# Altium PCB eva01.PcbDoc (part 3 of 4) (continued)
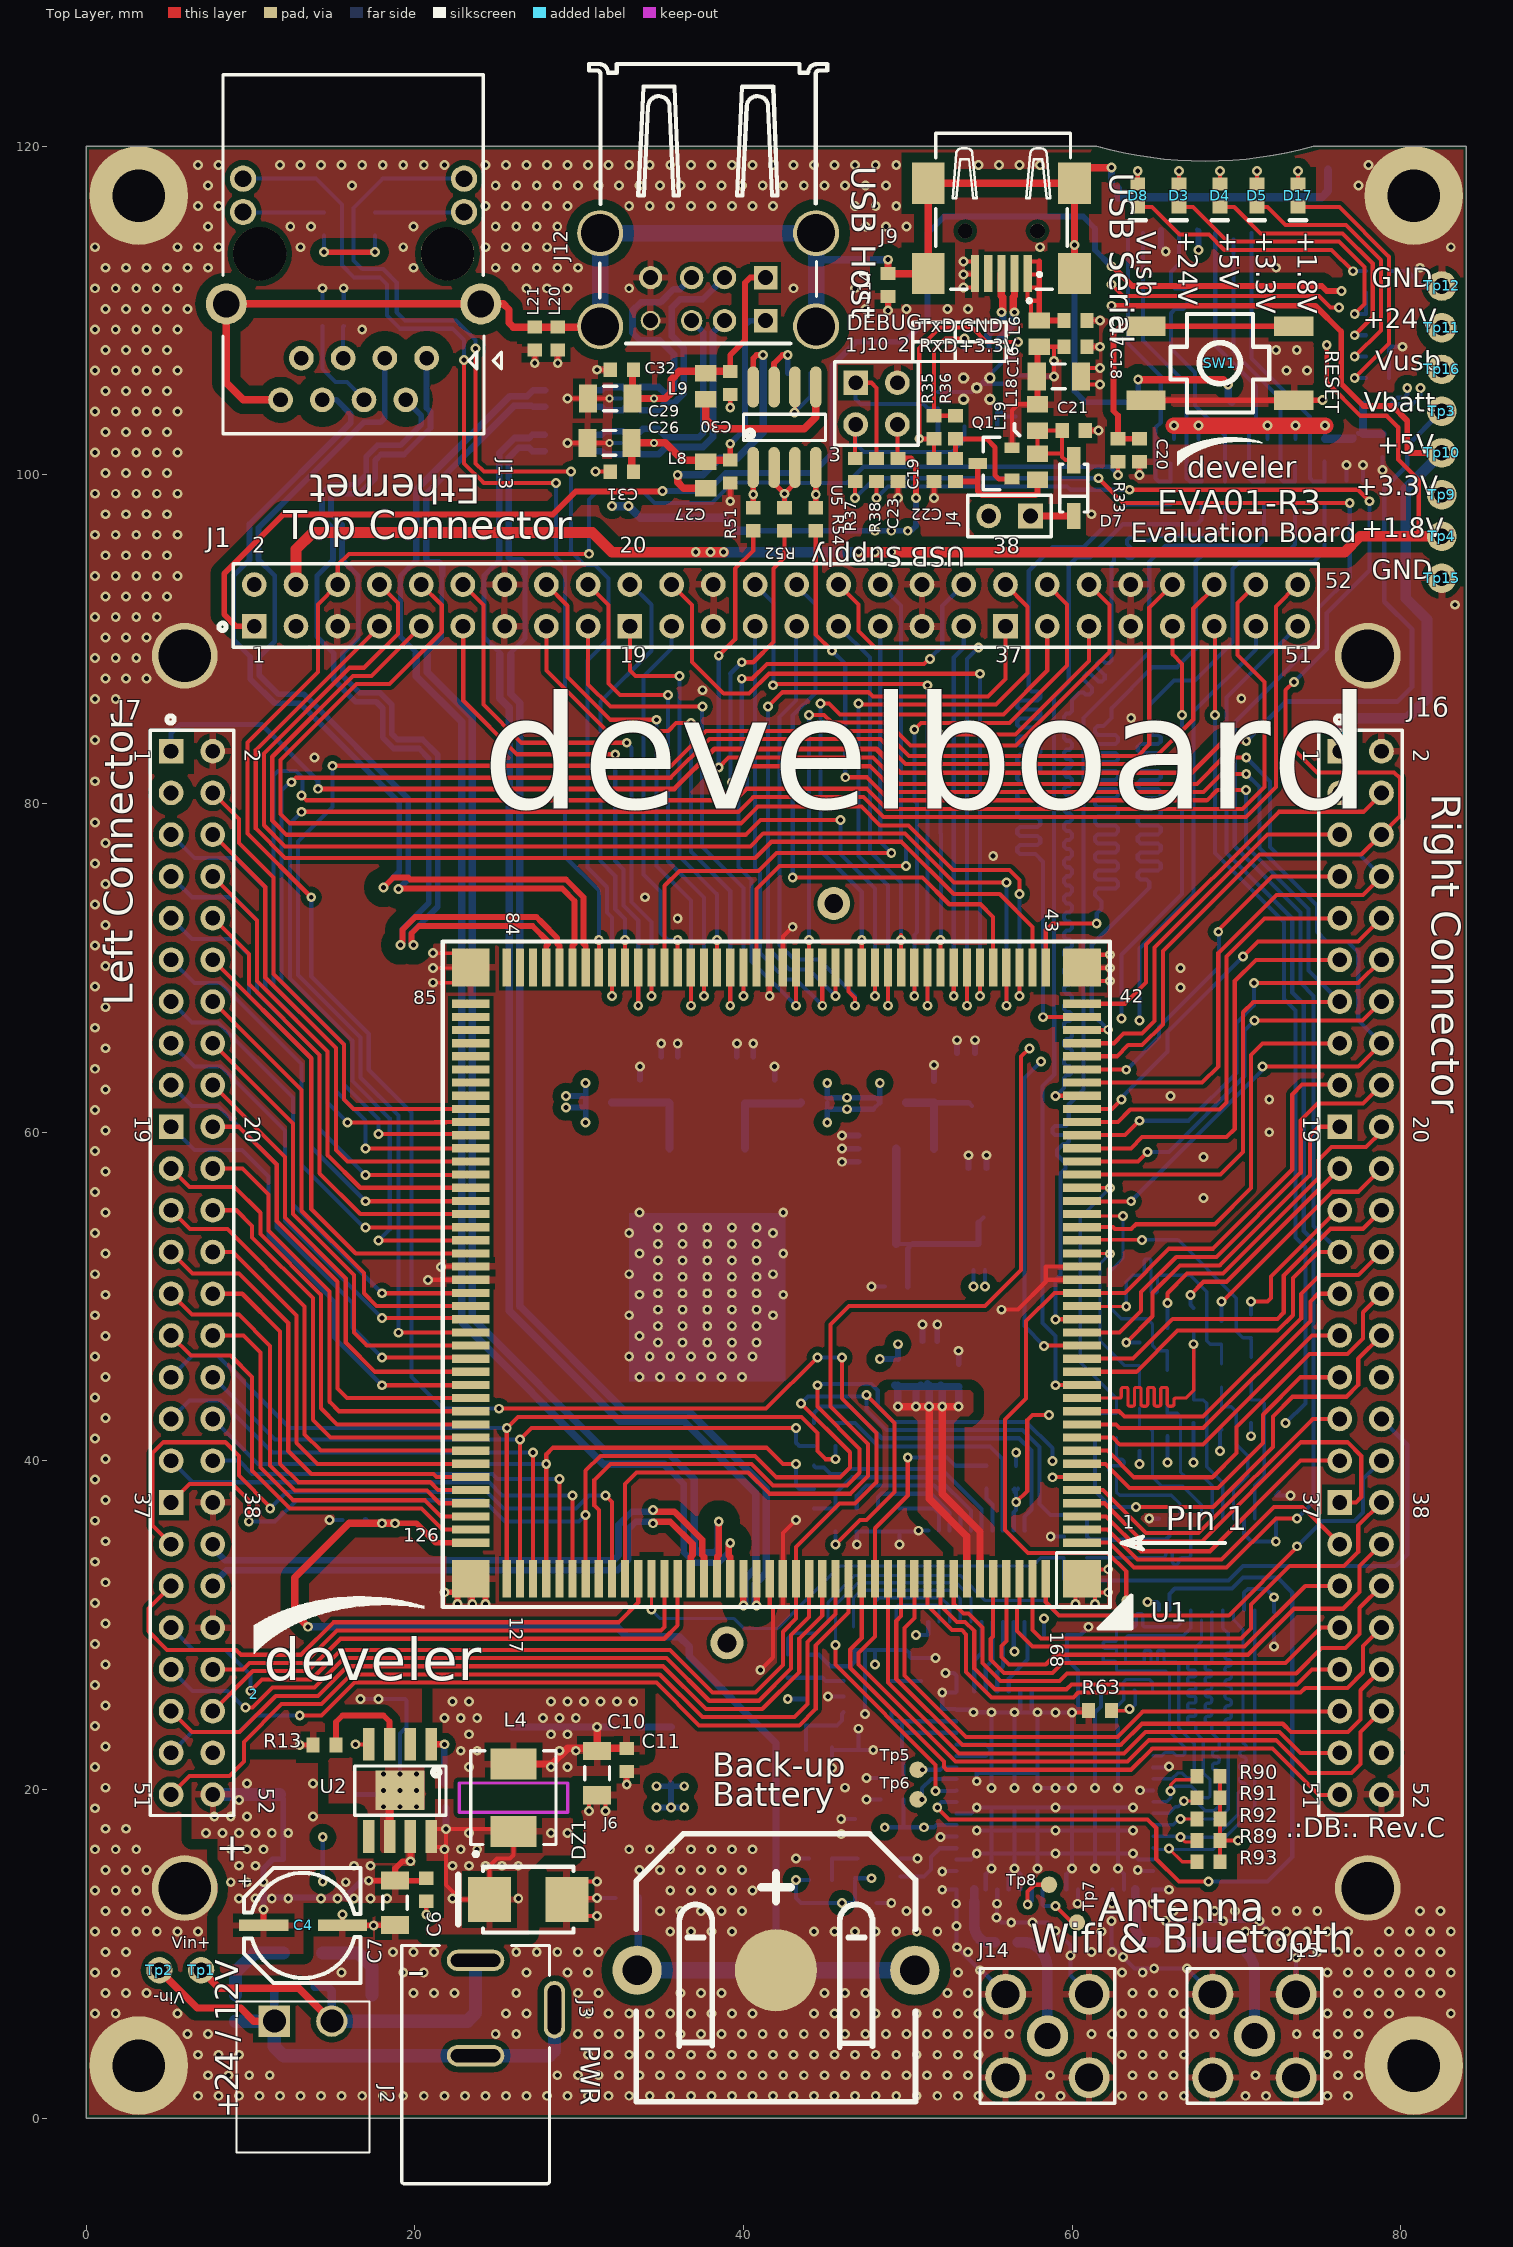
[diagram p0: Top Layer view]
## Nets (pads, with @x,y where several pads share a name; then routed paths per layer and width w, separated by ;. In a path a pad name is that pad's centre, name@x,y a point inside that pad or via, vN(x,y) a via of type N, cw(c..) or ccw(c..) an arc to the next point about the centre after c; other vN are vias at no path point) (continued)
PB22_SPI1_NPCS1_G1: J7.10 U1.101 | length 28.4
  Top Layer w0.25: J7.10@7.71,73.03 9.9,70.84 9.9,69.007 14.2,64.707 14.2,57.5 16.68,55.02 U1.101@23.4,55.02
PB23_SPI1_NPCS2_H1: J1.52 U1.103 | length 108.6
  Top Layer w0.25: v1(13.1,79.5) 39.7,79.5 40.6,80.4 47.307,80.4 48.532,79.175 70.575,79.175 72.4,81 72.4,92 J1.52@73.73,93.33 ; v1(17.8,53.4) 23.38,53.4 U1.103@23.4,53.42
  Bottom Layer w0.25: v1(13.1,79.5) 12.4,78.8 12.4,69.364 16.2,65.564 16.2,63.107 18.475,60.832 18.475,54.075 v1(17.8,53.4)
PB24_DRXD_TDI_E1: J7.7 U1.98 | length 31
  Top Layer w0.25: v1(17,57.4) 23.38,57.4 U1.98@23.4,57.42
  Bottom Layer w0.25: J7.7@5.17,75.57 6.44,74.3 9,74.3 10.4,72.9 10.4,68.507 14.2,64.707 14.2,60.2 v1(17,57.4)
PB25_DTXD_TDO_J1: J7.12 U1.104 | length 28.5
  Top Layer w0.25: J7.12@7.71,70.49 13.7,64.5 13.7,55.328 16.408,52.62 U1.104@23.4,52.62
PB26_PCK0_RK0_PWMH0_M5: J16.46 U1.157 | length 40.8
  Top Layer w0.25: U1.157@49.6,32.82 49.6,30.551 49.3,30.251 49.3,26.728 53.328,22.7 62.962,22.7 64.262,24 72.821,24 73.321,23.5 76.8,23.5 77.56,24.26 77.56,26.04 J16.46@78.83,27.31
PB27_SPI1_NPCS3_TK0_PWML0_L2: J7.18 U1.113 | length 27.4
  Top Layer w0.25: J7.18@7.71,62.87 12.1,58.48 12.1,54.807 15.8,51.107 15.8,47.2 17.58,45.42 U1.113@23.4,45.42
PB28_SPI2_NPCS3_TD0_PWMH1_K1: J7.15 U1.109 | length 28.5
  Top Layer w0.25: v1(18,48.7) 23.12,48.7 23.22,48.6 23.32,48.7 U1.109@23.4,48.62
  Bottom Layer w0.25: J7.15@5.17,65.41 6.585,63.995 8.2,63.995 12.1,60.095 12.1,54.6 v1(18,48.7)
PB29_TWD2_RD0_PWML1_M3: J7.41 U1.137 | length 36.5
  Top Layer w0.25: J7.41@5.17,32.39 3.8,31.02 3.8,29.629 4.929,28.5 9.133,28.5 9.433,28.2 13.079,28.2 15.054,30.175 32.405,30.175 33.6,31.37 U1.137@33.6,32.82
PB30_TWCK2_RF0_M4: J7.33 U1.129 | length 31.5
  Top Layer w0.25: U1.129@27.2,32.82 v1(27.2,40.5)
  Bottom Layer w0.25: J7.33@5.17,42.55 6.295,43.675 8.176,43.675 11.351,40.5 v1(27.2,40.5)
PB31_TF0_L1: J7.17 U1.112 | length 28.2
  Top Layer w0.25: v1(18,46.3) 23.32,46.3 U1.112@23.4,46.22
  Bottom Layer w0.25: J7.17@5.17,62.87 6.44,61.6 8.031,61.6 11.6,58.031 11.6,54.2 16.2,49.6 16.2,48.1 v1(18,46.3)
PC0_SPI0_MISO_PWMH2_ISI_D8: J7.49 U1.153 | length 51.2
  Top Layer w0.25: v1(13,24.5) 14.328,24.5 16.328,26.5 34.7,26.5 37.3,23.9 43.4,23.9 44.4,24.9 44.4,28.772 46.4,30.772 U1.153@46.4,32.82
  Bottom Layer w0.25: J7.49@5.17,22.23 6.44,23.5 9.3,23.5 10.3,24.5 v1(13,24.5)
PC1_SPI0_MOSI_PWML2_ISI_D9_P8: J16.44 U1.159 | length 35.6
  Top Layer w0.25: U1.159@51.2,32.82 51.2,31.2 52.704,29.696 53.289,29.696 53.55,29.436 53.55,27.15 55.1,25.6 60.077,25.6 60.377,25.9 73.907,25.9 74.192,26.185 76.756,26.185 77.705,27.134 77.705,28.725 J16.44@78.83,29.85
PC2_SPI0_SPCK_PWMH3_ISI_D10_V5: J7.47 U1.151 | length 48.7
  Top Layer w0.25: J7.47@5.17,24.77 6.44,23.5 9.338,23.5 11.538,25.7 14.114,25.7 15.914,27.5 35.114,27.5 37.714,24.9 41.145,24.9 43.4,27.155 43.4,29.186 44.8,30.586 U1.151@44.8,32.82
PC3_SPI0_NPCS0_PWML3_ISI_D11_T9: J16.39 U1.2 | length 18.7
  Top Layer w0.25: U1.2@60.6,35.82 62.159,35.82 63.979,34 69.1,34 72.3,37.2 74.02,37.2 J16.39@76.29,34.93
PC4_SPI0_NPCS1_MCI0_CK_PCK1_W5: J16.34 R6.2 | length 29.1
  Bottom Layer w0.25: R6.2@60.9,32.8 60.9,32.725 69.525,32.725 70.4,33.6 79.7,33.6 80.4,34.3 80.4,40.98 J16.34@78.83,42.55
PC4_SPI0_NPCS1_MCI0_CK_PCK1_W5_INT: R6.1 R84.2 U1.138 | length 30.5
  Top Layer w0.2: v1(34.4,30.94) U1.138@34.4,32.82
  Bottom Layer w0.2: v1(34.4,30.94) 34.94,30.4 39.429,30.4 40.029,29.8 42.075,29.8 45.875,33.6 57.6,33.6 58.1,34.1 R84.2@59.5,34.1 R6.1@59.5,32.8
PC19_ISI_D0_TK1_U14: J16.31 U1.7 | length 20.1
  Top Layer w0.25: U1.7@60.6,39.82 62.029,39.82 63.499,38.35 68.881,38.35 71.625,41.094 71.625,42.807 73.908,45.09 J16.31@76.29,45.09
PC20_ISI_D1_TF1_V11: J16.35 U1.3 | length 18.9
  Top Layer w0.25: U1.3@60.6,36.62 62.066,36.62 64.186,34.5 68.4,34.5 73.91,40.01 J16.35@76.29,40.01
PC21_ISI_D2_TD1_U15: J16.28 U1.8 | length 25.4
  Top Layer w0.25: U1.8@60.6,40.62 62.149,40.62 63.769,39 68.531,39 70,40.469 70,42.066 74.44,46.505 76.756,46.505 77.705,47.454 77.705,49.045 J16.28@78.83,50.17
PC22_ISI_D3_RF1_T15: J16.42 U1.161 | length 34.1
  Top Layer w0.25: U1.161@52.8,32.82 52.8,31.3 53.4,30.7 53.7,30.7 54.55,29.85 54.55,27.701 55.651,26.6 59.238,26.6 59.688,27.05 73.643,27.05 75.193,28.6 76.631,28.6 77.5,29.469 77.5,31.06 J16.42@78.83,32.39
PC23_ISI_D4_RD1_U16: J16.27 U1.10 | length 19.9
  Top Layer w0.25: U1.10@60.6,42.22 62.67,42.22 62.898,41.992 67.982,41.992 74.5,48.51 74.5,49.7 74.97,50.17 J16.27@76.29,50.17
PC24_ISI_D5_RK1_PCK1_T16: J16.29 U1.9 | length 18.6
  Top Layer w0.25: U1.9@60.6,41.42 62.48,41.42 62.9,41 67.98,41 74.61,47.63 J16.29@76.29,47.63
PC25_ISI_D6_TWD3_URXD1_V17: J16.15 U1.25 | length 25.2
  Top Layer w0.25: U1.25@60.6,54.22 62.48,54.22 62.6,54.1 63.6,54.1 63.9,54.4 68.7,54.4 70.9,56.6 70.9,64.7 71.59,65.39 76.27,65.39 J16.15@76.29,65.41
PC26_ISI_D7_TWCK3_UTXD1_R16: J16.26 U1.11 | length 23.4
  Top Layer w0.25: U1.11@60.6,43.02 62.86,43.02 63.188,42.692 67.975,42.692 73.946,48.664 73.946,50.146 75.1,51.3 77.42,51.3 J16.26@78.83,52.71
PC27_AD0_SPI0_NPCS1_PWML0_U12: J1.45 U1.136 | length 90.9
  Top Layer w0.25: U1.136@32.8,32.82 32.8,38.6 33.5,39.3 40.293,39.3 41.593,38 46.507,38 47.575,39.068 47.575,41.025 45.3,43.3 45.3,48.3 46.425,49.425 54.698,49.425 56.9,51.627 56.9,64.6 v1(57.4,65.1) ; J1.45@66.11,90.79 66.11,89.09 66.7,88.5 v1(66.7,85.4)
  Inner w0.25: v1(57.4,65.1) 60.5,65.1 60.8,65.4 60.8,65.795 61.92,66.915 v1(63,66.915)
  Bottom Layer w0.25: v1(63,66.915) 63,70.8 66.7,74.5 v1(66.7,85.4)
PC28_AD1_SPI0_NPCS2_PWML1_T11: J1.47 U1.134 | length 115.6
  Top Layer w0.25: U1.134@31.2,32.82 31.2,37 30.925,37.275 30.925,38.825 31.9,39.8 40.5,39.8 41.8,38.5 46.3,38.5 47.075,39.275 47.075,40.725 44.5,43.3 v1(44.5,44.6) ; J1.47@68.65,90.79 68.7,90.74 v1(68.7,85.4)
  Inner w0.25: v1(58.8,40) 59.707,40 61.104,38.604 70.704,38.604 73,40.9 v1(73,42.3)
  Bottom Layer w0.25: v1(44.5,44.6) 44.575,44.675 47.78,44.675 48.175,44.28 48.175,43.325 49.125,42.375 57.194,42.375 58.8,40.769 v1(58.8,40) ; v1(68.7,85.4) 68.7,76.993 72.9,72.793 72.9,68.1 73.6,67.4 73.6,53.6 74.2,53 74.2,43.5 v1(73,42.3)
PC29_AD2_SPI0_NPCS3_PWMFI0_R13: J1.49 U1.16 | length 54.5
  Top Layer w0.25: v1(58.3,47) 58.32,47.02 U1.16@60.6,47.02
  Inner w0.25: v1(58.1,64.3) 61.6,64.3 v1(64.1,66.8)
  Bottom Layer w0.25: v1(58.1,64.3) 57.1,63.3 57.1,48.2 v1(58.3,47) ; v1(64.1,66.8) 64.1,71.193 67.4,74.493 67.4,85.6 71.19,89.39 J1.49@71.19,90.79
PC30_AD3_PWMH0_T12: J1.51 U1.1 | length 73.7
  Top Layer w0.25: U1.1@60.6,35.02 62.252,35.02 63.772,33.5 69.4,33.5 72.4,36.5 v1(73.7,36.5)
  Bottom Layer w0.25: v1(73.7,36.5) 74.7,37.5 74.7,53.4 74.1,54 74.1,67.8 73.4,68.5 73.4,73 69.4,77 69.4,86.46 J1.51@73.73,90.79
PC31_AD4_PWMH1_T13: J16.32 U1.6 | length 26.4
  Top Layer w0.25: v1(58.8,39) 58.82,39.02 U1.6@60.6,39.02
  Inner w0.25: v1(58.8,39) 60,39 61,38 70.807,38 73.942,41.135 76.895,41.135 77.56,41.8 77.56,43.82 J16.32@78.83,45.09
PD8_PCK0_M1: J7.19 U1.114 | length 28.2
  Top Layer w0.25: v1(18,44.6) 23.38,44.6 U1.114@23.4,44.62
  Bottom Layer w0.25: J7.19@5.17,60.33 6.585,58.915 9.485,58.915 11.1,57.3 11.1,53.7 15.1,49.7 15.1,47.5 v1(18,44.6)
PD9_FIQ_M2: J7.20 U1.115 | length 28.3
  Top Layer w0.25: J7.20@7.71,60.33 9.301,60.33 11.6,58.031 11.6,54.6 15.3,50.9 15.3,44.4 15.88,43.82 U1.115@23.4,43.82
PD10_CTS0_N2: J7.24 U1.118 | length 26.2
  Top Layer w0.25: J7.24@7.71,55.25 9.15,55.25 10.1,54.3 10.1,53.6 13.8,49.9 13.8,42.5 14.88,41.42 U1.118@23.4,41.42
PD11_RTS0_SPI2_MISO_N3: J7.23 U1.119 | length 28.9
  Top Layer w0.25: J7.23@5.17,55.25 6.315,54.105 8.595,54.105 13.3,49.4 13.3,41.6 14.28,40.62 U1.119@23.4,40.62
PD12_RXD0_N1: J7.21 U1.117 | length 29.5
  Top Layer w0.25: J7.21@5.17,57.79 6.295,56.665 9.035,56.665 10.6,55.1 10.6,53.807 14.3,50.107 14.3,43.2 15.28,42.22 U1.117@23.4,42.22
PD13_TXD0_SPI2_MOSI_P3: J7.26 U1.120 | length 25.6
  Top Layer w0.25: J7.26@7.71,52.71 8.947,52.71 12.8,48.858 12.8,41.1 14.08,39.82 U1.120@23.4,39.82
PD14_CTS1_P2: J7.34 R60.1 U1.130 | length 47.3
  Top Layer w0.25: U1.130@28,32.82 28,40.4 28.4,40.8 41.4,40.8 42.4,39.8 v1(43.2,39.8)
  Bottom Layer w0.25: J7.34@7.71,42.55 10.46,39.8 v1(28,39.8) ; v1(43.2,39.8) 43.2,38.5 43.4,38.3 R60.1@44.3,38.3
PD15_RTS1_SPI2_SPCK_N4: J16.48 R57.1 U1.155 | length 57.2
  Top Layer w0.25: v1(50,40.2) 50,37.9 48,35.9 U1.155@48,32.82 48,29.318 47,28.318 47,27.614 52.914,21.7 59.142,21.7 63.376,21.7 64.676,23 72.407,23 74.407,21 77,21 77.56,21.56 77.56,23.5 J16.48@78.83,24.77
  Bottom Layer w0.25: v1(50,40.2) 52.4,40.2 52.9,39.7 R57.1@54.8,39.7
PD16_RXD1_R2: J7.31 R59.1 U1.127 | length 54.8
  Top Layer w0.25: U1.127@25.6,32.82 v1(25.6,42) 26.275,42.675 43.525,42.675 44.5,41.7 44.5,40.6 45,40.1 v1(45.6,40.1)
  Bottom Layer w0.25: J7.31@5.17,45.09 6.48,46.4 7.991,46.4 12.391,42 v1(25.6,42) ; v1(45.6,40.1) R59.1@45.6,40.9
PD17_TXD1_SPI2_NPCS0_R3: J7.32 R58.1 U1.128 | length 47.9
  Top Layer w0.25: U1.128@26.4,32.82 26.4,38.9 v1(26.4,41.3) 27.1,42 v1(43.2,42)
  Bottom Layer w0.25: J7.32@7.71,45.09 11.5,41.3 v1(26.4,41.3) ; v1(43.2,42) 43.2,41.1 43.4,40.9 R58.1@44.3,40.9
PD19_P11: J16.36 U1.168 | length 27.3
  Top Layer w0.25: U1.168@58.4,32.82 58.4,31.4 59.2,30.6 69.538,30.6 73.7,34.762 v1(73.7,34.8)
  Bottom Layer w0.25: v1(73.7,34.8) 75.245,36.345 77.195,36.345 77.705,36.855 77.705,38.885 J16.36@78.83,40.01
PD20_T10: J16.47 U1.158 | length 34.8
  Top Layer w0.25: U1.158@50.4,32.82 50.4,30.431 49.8,29.831 49.8,26.936 53.536,23.2 62.755,23.2 64.304,24.75 76.27,24.75 J16.47@76.29,24.77
PD21_P10: J16.40 U1.165 | length 32.2
  Top Layer w0.25: U1.165@56,32.82 56,29.031 55.7,28.731 55.7,28.069 56.169,27.6 58.4,27.6 59,28.2 70.707,28.2 73.507,31 76.491,31 77.5,32.009 77.5,33.6 J16.40@78.83,34.93
PD22_U11: J16.37 U1.4 | length 24.8
  Top Layer w0.25: U1.4@60.6,37.42 61.973,37.42 64.293,35.1 67.907,35.1 73.942,41.135 76.756,41.135 77.6,40.291 77.6,37.8 77.27,37.47 J16.37@76.29,37.47
  Inner w0.25: J16.37@76.26,37.5 J16.37@76.29,37.47
PD23_R10: J16.41 U1.166 | length 24.8
  Top Layer w0.25: U1.166@56.8,32.82 56.8,31.219 56.65,31.069 56.65,29.65 57.6,28.7 59.4,28.7 70.5,28.7 74.19,32.39 J16.41@76.29,32.39
PD24_U10: J16.38 U1.167 | length 29.8
  Top Layer w0.25: U1.167@57.6,32.82 57.6,29.7 58.1,29.2 60.8,29.2 70.293,29.2 70.896,29.804 70.896,31.251 73.245,33.6 76.551,33.6 77.415,34.464 77.415,36.055 J16.38@78.83,37.47
PD25_R11: J16.33 U1.5 | length 19.7
  Top Layer w0.25: U1.5@60.6,38.175 U1.5@60.6,38.22 61.88,38.22 64.5,35.6 67.7,35.6 74.65,42.55 J16.33@76.29,42.55
PD26_U13: J7.37 R11.1 R86.2 U1.133 | length 91.6
  Top Layer w0.25: J7.37@5.17,37.47 6.295,38.595 8.898,38.595 9.9,37.593 v1(9.9,36.3) ; U1.133@30.4,32.82 30.4,39.4 31.3,40.3 40.707,40.3 42.007,39 45.875,39 46.477,39.602 46.477,40.523 v1(43.5,43.5) ; v1(45.6,34.9) 47.1,36.4 47.5,36.4 49.2,38.1 49.2,42.3 v1(47.5,44)
  Bottom Layer w0.25: v1@10.1,36.3 11.5,36.3 12.8,37.6 24.2,37.6 25.5,36.3 30,36.3 v1(30.4,36.7) ; v1(43.5,43.5) 43.925,43.925 47.425,43.925 v1(47.5,44) 47.5,43.093 48.718,41.875 56.987,41.875 58.025,40.837 58.025,37.375 58.7,36.7 R86.2@59.5,36.7 ; v1@45.6,34.8 R11.1@45.6,35.7
PD27_T14: J16.45 U1.160 | length 29.9
  Top Layer w0.25: U1.160@52,32.82 52,31.2 53.004,30.196 53.496,30.196 54.05,29.643 54.05,27.357 55.307,26.1 59.658,26.1 59.958,26.4 73.7,26.4 74.61,27.31 J16.45@76.29,27.31
PD28_SCK0_R1: J7.28 U1.122 | length 25.4
  Top Layer w0.25: J7.28@7.71,50.17 9.5,50.17 11.8,47.87 11.8,39.821 12.921,38.7 20.941,38.7 21.421,38.22 U1.122@23.4,38.22
PD29_SCK1_P1: J7.25 U1.121 | length 28.5
  Top Layer w0.25: J7.25@5.17,52.71 6.48,51.4 9.3,51.4 12.3,48.4 12.3,40.6 13.7,39.2 21.148,39.2 21.328,39.02 U1.121@23.4,39.02
PD31_SPI0_NPCS2_PCK1_P5: J16.49 U1.156 | length 36.7
  Top Layer w0.25: U1.156@48.8,32.82 48.8,26.521 53.121,22.2 63.169,22.2 64.469,23.5 72.614,23.5 73.904,22.21 76.27,22.21 J16.49@76.29,22.23
PE0_MCI0_CDB_CTS4_W19: J16.30 R7.2 | length 27.5
  Top Layer w0.25: v1(63.9,37.2) 68.593,37.2 72.225,40.832 72.225,42.7 73.425,43.9 76.691,43.9 77.415,44.624 77.415,46.215 J16.30@78.83,47.63
  Bottom Layer w0.25: R7.2@61.4,41.5 61.4,38.157 62.357,37.2 v1(63.9,37.2)
PE0_MCI0_CDB_CTS4_W19_INT: R7.1 R85.2 U1.28 | length 18.5
  Top Layer w0.2: U1.28@60.6,56.62 62.28,56.62 v1(62.3,56.6)
  Bottom Layer w0.2: R7.1@61.4,42.9 R85.2@62.7,42.9 62.7,43.8 60.5,46 60.5,54.8 v1(62.3,56.6) v1@62.3,56.7
PE1_MCI0_DB0_U17: J16.19 R5.2 | length 21.5
  Top Layer w0.25: v1(63.3,47.2) 64.9,48.8 64.9,50.23 66.57,51.9 68.986,51.9 74.47,57.384 74.47,59.8 75,60.33 J16.19@76.29,60.33
  Bottom Layer w0.25: v1(63.3,47.2) R5.2@64.1,47.2
PE1_MCI0_DB0_U17_INT: R5.1 R83.2 U1.23 | length 11.5
  Top Layer w0.2: U1.23@60.6,52.62 62.28,52.62 v1(62.3,52.6)
  Bottom Layer w0.2: v1(62.3,52.6) 61.7,52 61.7,47.3 63.2,45.8 R5.1@64.1,45.8 R83.2@64.1,44.6
PE2_MCI0_DB1_T17: J16.20 R4.2 | length 20.1
  Top Layer w0.25: v1(65.8,49.6) 65.8,50.2 67,51.4 69.193,51.4 74.996,57.204 74.996,58.303 75.793,59.1 77.9,59.1 78.83,60.03 J16.20@78.83,60.33
  Bottom Layer w0.25: R4.2@65.8,48.1 v1(65.8,49.6)
PE2_MCI0_DB1_T17_INT: R4.1 R82.2 U1.26 | length 15
  Top Layer w0.2: U1.26@60.6,55.02 60.72,54.9 v1(63.1,54.9)
  Bottom Layer w0.2: v1(63.1,54.9) 63.1,52.339 62.25,51.489 62.25,49.389 62.989,48.65 64.55,48.65 64.9,48.3 64.9,47 65.2,46.7 R4.1@65.8,46.7 R82.2@65.8,45.5
PE3_MCI0_DB2_P16: J16.21 R3.2 | length 13.2
  Top Layer w0.25: v1(67.2,50.1) 68,50.9 69.4,50.9 J16.21@76.29,57.79
  Bottom Layer w0.25: v1(67.2,50.1) 67.2,49.5 R3.2@67.4,49.3
PE3_MCI0_DB2_P16_INT: R3.1 R81.2 U1.12 | length 19.5
  Top Layer w0.2: U1.12@60.6,43.82 62.8,43.82 62.88,43.82 ccw(c62.88,43.94) 63,43.94 63,44.348 cw(c63.12,44.348) 63.12,44.468 63.28,44.468 cw(c63.28,44.348) 63.4,44.348 63.4,43.82 63.4,43.452 ccw(c63.52,43.452) 63.52,43.332 63.68,43.332 ccw(c63.68,43.452) 63.8,43.452 63.8,43.82 63.8,44.348 cw(c63.92,44.348) 63.92,44.468 64.08,44.468 cw(c64.08,44.348) 64.2,44.348 64.2,43.82 64.2,43.452 ccw(c64.32,43.452) 64.32,43.332 64.48,43.332 ccw(c64.48,43.452) 64.6,43.452 64.6,43.82 64.6,44.348 cw(c64.72,44.348) 64.72,44.468 64.88,44.468 cw(c64.88,44.348) 65,44.348 65,43.82 65,43.452 ccw(c65.12,43.452) 65.12,43.332 65.28,43.332 ccw(c65.28,43.452) 65.4,43.452 65.4,43.82 65.4,44.348 cw(c65.52,44.348) 65.52,44.468 65.68,44.468 cw(c65.68,44.348) 65.8,44.348 65.8,43.82 65.8,43.452 ccw(c65.92,43.452) 65.92,43.332 66.08,43.332 ccw(c66.08,43.452) 66.2,43.452 66.2,43.7 cw(c66.32,43.7) 66.32,43.82 66.9,43.82 66.92,43.82 67.4,44.3 v1(67.4,47.1)
  Bottom Layer w0.2: R81.2@67.4,46.3 v1(67.4,47.1) R3.1@67.4,47.8
PE4_MCI0_DB3_U18: J16.22 R2.2 | length 14.3
  Top Layer w0.25: v1(69.1,49.7) 69.149,49.7 75.824,56.375 77.415,56.375 J16.22@78.83,57.79
  Bottom Layer w0.25: R2.2@69.1,48.5 v1(69.1,49.7)
PE4_MCI0_DB3_U18_INT: R2.1 R80.2 U1.19 | length 18.7
  Top Layer w0.2: U1.19@60.6,49.42 60.62,49.4 v1(63.3,49.4)
  Bottom Layer w0.2: v1(63.3,49.4) 63.3,50.9 63.7,51.3 64.2,51.3 64.28,51.3 ccw(c64.28,51.42) 64.4,51.42 64.4,52.165 cw(c64.52,52.165) 64.52,52.285 64.68,52.285 cw(c64.68,52.165) 64.8,52.165 64.8,51.3 64.8,50.347 ccw(c64.92,50.347) 64.92,50.227 65.08,50.227 ccw(c65.08,50.347) 65.2,50.347 65.2,51.18 cw(c65.32,51.18) 65.32,51.3 66.4,51.3 67.2,51.3 68.2,50.3 68.2,47.3 68.4,47.1 R2.1@69.1,47.1 R80.2@69.1,45.9
PE5_CTS3_R17: J16.17 R62.1 U1.20 | length 76.4
  Top Layer w0.25: v1(63.3,31.5) 63.3,33.255 62.16,34.395 57.33,34.395 55.925,35.8 55.925,42.525 57.2,43.8 57.2,48.5 58.92,50.22 U1.20@60.6,50.22 63.22,50.22 65.911,52.911 68.582,52.911 73.4,57.729 73.4,62.3 74,62.9 76.26,62.9 J16.17@76.29,62.87
  Bottom Layer w0.2: R62.1@42.7,28.2 42.7,29.2 43,29.5 44.4,29.5 45.15,30.25 45.15,31.386 46.789,33.025 53.203,33.025 54.728,31.5 58.3,31.5 59.2,30.6 62.4,30.6 v1(63.3,31.5)
PE6_TIOA3_V19: J16.14 U1.30 | length 23.9
  Top Layer w0.25: U1.30@60.6,58.22 64.02,58.22 v1(64.6,58.8) ; v1(71.1,66.8) 77.68,66.8 J16.14@78.83,67.95
  Bottom Layer w0.25: v1(64.6,58.8) 65.893,58.8 70.5,63.407 70.5,66.2 v1(71.1,66.8)
PE7_TIOB3_PWMFI1_U19: J16.11 U1.31 | length 25.7
  Top Layer w0.25: U1.31@60.6,59.02 63.587,59.02 64.267,59.7 69.4,59.7 69.9,60.2 69.9,69.2 71.19,70.49 J16.11@76.29,70.49
PE8_TCLK3_PWML3_T19: J16.23 R1.2 | length 9.3
  Top Layer w0.25: v1(70.9,49.7) 71.9,49.7 72.1,49.9 72.1,51.214 76.116,55.23 76.27,55.23 J16.23@76.29,55.25
  Bottom Layer w0.25: R1.2@70.9,48.9 v1(70.9,49.7)
PE8_TCLK3_PWML3_T19_INT: R1.1 R79.2 U1.24 | length 15.1
  Top Layer w0.2: U1.24@60.6,53.42 60.62,53.4 60.67,53.45 v1(64.25,53.45)
  Bottom Layer w0.2: v1(64.25,53.45) 66.45,53.45 70,49.9 70,47.9 70.4,47.5 R1.1@70.9,47.5 ; R1.1@70.839,47.439 70.9,47.378 R79.2@70.9,46.3
PE9_TIOA2_T18: J16.12 U1.32 | length 25.2
  Top Layer w0.25: U1.32@60.6,59.82 63.22,59.82 v1(64.1,60.7) ; v1(71.075,69.075) 77.415,69.075 J16.12@78.83,70.49
  Bottom Layer w0.25: v1(64.1,60.7) 67.086,60.7 70,63.614 70,66.655 71.075,67.73 v1(71.075,69.075)
PE10_TIOB2_N14: J16.43 U1.164 | length 27.7
  Top Layer w0.25: U1.164@55.2,32.82 55.2,29.3 55.05,29.15 55.05,27.908 55.858,27.1 58.819,27.1 59.419,27.7 73,27.7 75.15,29.85 J16.43@76.29,29.85
PE11_TCLK2_R18: J16.8 R51.1 U1.36 | length 90
  Top Layer w0.25: v1(38.5,82.2) 39.1,82.8 47.879,82.8 49.479,81.2 67.6,81.2 69.2,82.8 v1(70.6,82.8) ; v1(38.5,89) 39.5,90 39.5,94.3 40.6,95.4 R51.1@40.6,96.6 ; U1.36@60.6,63.025 U1.36@60.6,63.02 67.92,63.02 68.9,64 68.9,70.907 72.438,74.445 77.705,74.445 J16.8@78.83,75.57
  Bottom Layer w0.25: v1(38.5,82.2) v1(38.5,89) ; v1(70.6,82.8) 72.048,81.352 72.048,77.348 72.496,76.9 77.5,76.9 J16.8@78.83,75.57
PE12_TIOA1_PWMH2_P17: J16.16 R52.1 U1.27 | length 92.9
  Top Layer w0.25: v1(39.3,81.3) 40.275,82.275 47.697,82.275 49.272,80.7 67.993,80.7 69.093,81.8 v1(70.6,81.8) ; v1(39.9,88.6) 40.6,88.6 41.835,89.835 41.835,94.3 42.5,94.965 R52.1@42.5,96.6 ; U1.27@60.6,55.82 60.6,55.775 63.575,55.775 v1(63.6,55.8) ; v1(71.6,64) 77.42,64 J16.16@78.83,65.41
  Bottom Layer w0.25: v1(39.3,81.3) 39.225,81.375 39.225,87.875 39.2,87.9 v1(39.9,88.6) ; v1(63.6,55.8) 71.6,63.8 v1(71.6,64) ; v1(70.6,81.8) 71.4,81 71.4,77.289 74.9,73.789 74.9,72.2 75.485,71.615 76.756,71.615 77.415,70.956 77.415,66.825 J16.16@78.83,65.41
PE13_TIOB1_PWML2_P18: J16.10 U1.34 | length 23.8
  Top Layer w0.25: U1.34@60.6,61.42 62.42,61.42 v1(63,62) ; v1(70.4,70.7) 71.315,71.615 77.415,71.615 J16.10@78.83,73.03
  Bottom Layer w0.25: v1(63,62) 63,62.1 65.8,64.9 65.8,66.1 v1(70.4,70.7)
PE14_TCLK1_PWMH3_N17: J16.13 R54.1 U1.29 | length 81.2
  Top Layer w0.25: R54.1@44.4,96.6 44.4,90.3 v1(45.4,89.3) ; v1(46.2,81.6) 47.521,81.6 48.921,80.2 68.2,80.2 68.837,80.837 v1(70.575,80.837) ; U1.29@60.6,57.42 60.605,57.425 69.025,57.425 70.4,58.8 70.4,67.3 71.03,67.93 76.27,67.93 J16.13@76.29,67.95
  Bottom Layer w0.25: v1(45.4,89.3) 46.2,88.5 v1(46.2,81.6) ; v1(70.575,80.837) 70.575,77.407 74.4,73.582 74.4,69.84 J16.13@76.29,67.95
PE15_SCK3_TIOA0_N18: J16.5 U1.39 | length 23.4
  Top Layer w0.25: U1.39@60.6,65.42 U1.39@60.81,65.42 ; U1.39@60.935,65.415 62.542,65.415 63.127,66 64.255,66 65.027,66.773 65.027,71.234 71.903,78.11 J16.5@76.29,78.11
PE16_RXD3_TIOB0_M15: J16.25 R37.1 U1.14 | length 103.4
  Top Layer w0.25: v1(46.8,98.6) R37.1@46.8,99.6 ; U1.14@60.6,45.425 U1.14@60.6,45.42 63.91,45.42 66.415,47.925 72.501,47.925 73.438,48.862 73.438,51.138 75.01,52.71 J16.25@76.29,52.71 ; v1(61.6,99.8) 63.1,98.3 v1(76.9,98.3)
  Bottom Layer w0.25: v1(46.8,98.6) 48,99.8 v1(61.6,99.8) ; J16.25@76.29,52.71 74.7,54.3 74.7,68.3 73.9,69.1 73.9,73.375 69.9,77.375 69.9,84.945 75,90.045 75,91.9 76.9,93.8 v1(76.9,98.3)
PE17_TXD3_TCLK0_N19: J16.6 R38.1 U1.38 | length 86.6
  Top Layer w0.25: v1(48.1,98.6) R38.1@48.1,99.6 ; U1.38@60.6,64.62 62.737,64.62 63.417,65.3 64.262,65.3 65.527,66.566 65.527,71.027 71.4,76.9 77.6,76.9 J16.6@78.8,78.1 ; v1(63.5,99.1) 77.4,99.1 v1(78.1,98.4) ; v1(73.5,87.4) 73,86.9 73,83.8 74.9,81.9 79.6,81.9 79.955,81.545 79.955,79.235 J16.6@78.83,78.11
  Bottom Layer w0.25: v1(48.1,98.6) 48.8,99.3 59.7,99.3 59.9,99.1 v1(63.5,99.1) ; v1(73.5,87.4) 75.5,89.4 75.5,91.6 78.1,94.2 v1(78.1,98.4)
PE18_MCI1_CK: J11.5 R46.2 | length 18.1
  Bottom Layer w0.25: J11.5@66.515,114.725 66.515,112.84 66.015,112.34 66.015,111.59 66.265,111.34 66.765,111.34 67.015,111.09 67.015,110.34 66.765,110.09 66.265,110.09 66.015,109.84 66.015,107.685 67.475,106.225 67.475,104.225 69.3,102.4 R46.2@69.3,99.6
PE18_TIOA5_MCI1_CK_P19: R46.1 U1.35 | length 62
  Top Layer w0.25: v1(59,62.2) 59.02,62.22 U1.35@60.6,62.22
  Bottom Layer w0.25: v1(59,62.2) 59.5,62.7 59.5,63.31 59.665,63.475 59.835,63.475 60,63.64 60,63.86 59.835,64.025 59.665,64.025 59.5,64.19 59.5,64.41 59.665,64.575 59.835,64.575 60,64.74 60,64.96 59.835,65.125 59.665,65.125 59.5,65.29 59.5,65.51 59.665,65.675 59.835,65.675 60,65.84 60,66.06 59.835,66.225 59.665,66.225 59.5,66.39 59.5,66.61 59.665,66.775 59.835,66.775 60,66.94 60,67.16 59.835,67.325 59.665,67.325 59.5,67.49 59.5,67.71 59.665,67.875 59.835,67.875 60,68.04 60,68.26 59.835,68.425 59.665,68.425 59.5,68.59 59.5,68.81 59.665,68.975 59.835,68.975 60,69.14 60,69.36 59.835,69.525 59.665,69.525 59.5,69.69 59.5,69.91 59.665,70.075 59.835,70.075 60,70.24 60,70.46 59.835,70.625 59.665,70.625 59.5,70.79 59.5,71.01 59.665,71.175 59.835,71.175 60,71.34 60,71.56 59.835,71.725 59.665,71.725 59.5,71.89 59.5,72.11 59.665,72.275 59.835,72.275 60,72.44 60,72.66 59.835,72.825 59.665,72.825 59.5,72.99 59.5,73.21 59.665,73.375 59.835,73.375 60,73.54 60,73.76 59.835,73.925 59.665,73.925 59.5,74.09 59.5,74.31 59.665,74.475 59.835,74.475 60,74.64 60,74.86 59.835,75.025 59.665,75.025 59.5,75.19 59.5,75.41 59.665,75.575 59.835,75.575 60,75.74 60,75.96 59.835,76.125 59.665,76.125 59.5,76.29 59.5,76.51 59.665,76.675 59.835,76.675 60,76.84 60,77.06 59.835,77.225 59.665,77.225 59.5,77.39 59.5,77.61 59.665,77.775 59.835,77.775 60,77.94 60,78.16 59.835,78.325 59.665,78.325 59.5,78.49 59.5,78.71 59.665,78.875 59.835,78.875 60,79.04 60,79.26 59.835,79.425 59.665,79.425 59.5,79.59 59.5,79.81 59.665,79.975 59.835,79.975 60,80.14 60,80.36 59.835,80.525 59.665,80.525 59.5,80.69 59.5,80.91 59.665,81.075 59.835,81.075 60,81.24 60,81.46 59.835,81.625 59.665,81.625 59.5,81.79 59.5,82.01 59.665,82.175 59.835,82.175 60,82.34 60,82.56 59.835,82.725 59.665,82.725 59.5,82.89 59.5,83.11 59.665,83.275 59.835,83.275 60,83.44 60,83.66 59.835,83.825 59.665,83.825 59.5,83.99 59.5,84.21 59.665,84.375 59.835,84.375 60,84.54 60,84.76 59.835,84.925 59.665,84.925 59.5,85.09 59.5,85.31 59.665,85.475 59.835,85.475 60,85.64 60,86.3 60.467,86.767 60.7,86.767 60.82,86.646 61.054,86.646 61.209,86.802 61.209,87.035 60.735,87.509 60.735,87.742 60.891,87.898 61.124,87.898 61.598,87.424 61.831,87.424 61.987,87.58 61.987,87.813 61.513,88.287 61.513,88.52 61.669,88.676 61.902,88.676 62.022,88.556 62.256,88.556 62.4,88.7 62.4,94.6 62.558,94.758 62.558,95.265 62.713,95.42 62.946,95.42 63.42,94.946 63.654,94.946 63.809,95.102 63.809,95.335 63.335,95.809 63.335,96.042 63.491,96.198 63.724,96.198 63.922,96 64.7,96 65,96.3 68.7,96.3 69.3,96.9 R46.1@69.3,98.2
PE19_MCI1_CDA: J11.3 R39.2 R47.2 | length 18.3
  Bottom Layer w0.25: J11.3@68.715,114.725 68.715,107.885 71.2,105.4 71.2,103.1 71.075,102.975 71.07,102.975 70.775,102.68 70.775,99.8 70.975,99.6 R47.2@71.675,99.6 R39.2@71.675,100.8
PE19_TIOB5_MCI1_CDA_N16: R47.1 U1.18 | length 61.9
  Top Layer w0.25: v1(59,48.6) 59.02,48.62 U1.18@60.6,48.62
  Bottom Layer w0.25: v1(59,48.6) 59,51 59.3,51.3 59.3,57.5 59.6,57.8 59.6,58.1 59.1,58.6 59.1,58.91 59.465,59.275 59.635,59.275 59.8,59.44 59.8,59.66 59.635,59.825 58.965,59.825 58.8,59.99 58.8,60.21 58.965,60.375 59.635,60.375 59.8,60.54 59.8,61.7 60.7,62.6 60.7,85.2 64.695,89.195 64.695,94.695 65.7,95.7 71.3,95.7 71.675,96.075 R47.1@71.675,98.2
PE20_MCI1_DA0: J11.7 R41.2 R45.2 | length 18.2
  Bottom Layer w0.25: J11.7@64.315,114.725 64.315,108.185 66.975,105.525 66.975,99.8 67.175,99.6 ; 67.175,99.6 R45.2@67.875,99.6 R41.2@67.875,100.8
PE20_TCLK5_MCI1_DA0_M14: R45.1 U1.13 | length 62.7
  Top Layer w0.25: v1(59,44.6) 59.02,44.62 U1.13@60.6,44.62
  Bottom Layer w0.25: v1(59,44.6) 59,47.6 58.2,48.4 58.2,62.8 58.915,63.515 58.915,67.28 58.9,67.295 58.9,86.5 59.8,87.4 59.8,94.5 60.291,94.991 61.1,94.991 63.109,97 67.6,97 67.875,97.275 R45.1@67.875,98.2
PE21_MCI1_DA1: J11.8 R40.2 R44.2 | length 18.1
  Bottom Layer w0.25: J11.8@63.215,114.725 63.4,114.54 63.4,108 65.4,106 65.4,103.2 65.075,102.875 65.075,99.8 65.275,99.6 ; 65.275,99.6 R44.2@65.975,99.6 ; R40.2@65.975,100.7 66,100.675 R44.2@66,99.6
PE21_TIOA4_MCI1_DA1_M18: R44.1 U1.41 | length 62.1
  Top Layer w0.25: v1(58.24,67) 58.22,67.02 58.24,67.02 U1.41@60.6,67.02
  Bottom Layer w0.25: v1(58.24,67) 58.24,76.46 57.775,76.925 56.83,76.925 56.665,77.09 56.665,77.31 56.83,77.475 57.9,77.475 58.065,77.64 58.065,77.86 57.9,78.025 56.83,78.025 56.665,78.19 56.665,78.41 56.83,78.575 57.9,78.575 58.065,78.74 58.065,78.96 57.9,79.125 56.83,79.125 56.665,79.29 56.665,79.51 56.83,79.675 57.9,79.675 58.065,79.84 58.065,80.06 57.9,80.225 56.83,80.225 56.665,80.39 56.665,80.61 56.83,80.775 57.9,80.775 58.065,80.94 58.065,81.16 57.9,81.325 56.83,81.325 56.665,81.49 56.665,81.71 56.83,81.875 57.9,81.875 58.065,82.04 58.065,82.26 57.9,82.425 56.83,82.425 56.665,82.59 56.665,82.81 56.83,82.975 57.9,82.975 58.065,83.14 58.065,83.36 57.9,83.525 56.83,83.525 56.665,83.69 56.665,83.91 56.83,84.075 57.9,84.075 58.065,84.24 58.065,84.46 57.9,84.625 56.83,84.625 56.665,84.79 56.665,85.01 56.83,85.175 57.9,85.175 58.065,85.34 58.065,85.56 57.9,85.725 56.83,85.725 56.665,85.89 56.665,86.11 56.83,86.275 57.9,86.275 58.065,86.44 58.065,86.66 57.9,86.825 57.53,86.825 57.365,86.99 57.365,94.165 58.8,95.6 60.7,95.6 63.3,98.2 R44.1@66,98.2
PE22_MCI1_DA2: J11.1 R43.2 R49.2 | length 18.6
  Bottom Layer w0.25: J11.1@70.915,114.725 70.915,107.099 74.475,103.539 74.475,99.8 74.675,99.6 ; 74.675,99.6 R49.2@75.375,99.6 R43.2@75.375,100.8